# Altium PCB OAI_KPA_Power_Module.PcbDoc (part 3 of 3)
Units mm, origin at the board's own origin, x right, y up, seen from the top; angles counter-clockwise.
Board outline 150.02 x 64.8 mm, 4 copper layers (Top Layer, Mid-Layer 1, Internal Plane 2, Bottom Layer); 170 components, 188 nets, 852 pads, 320 vias.
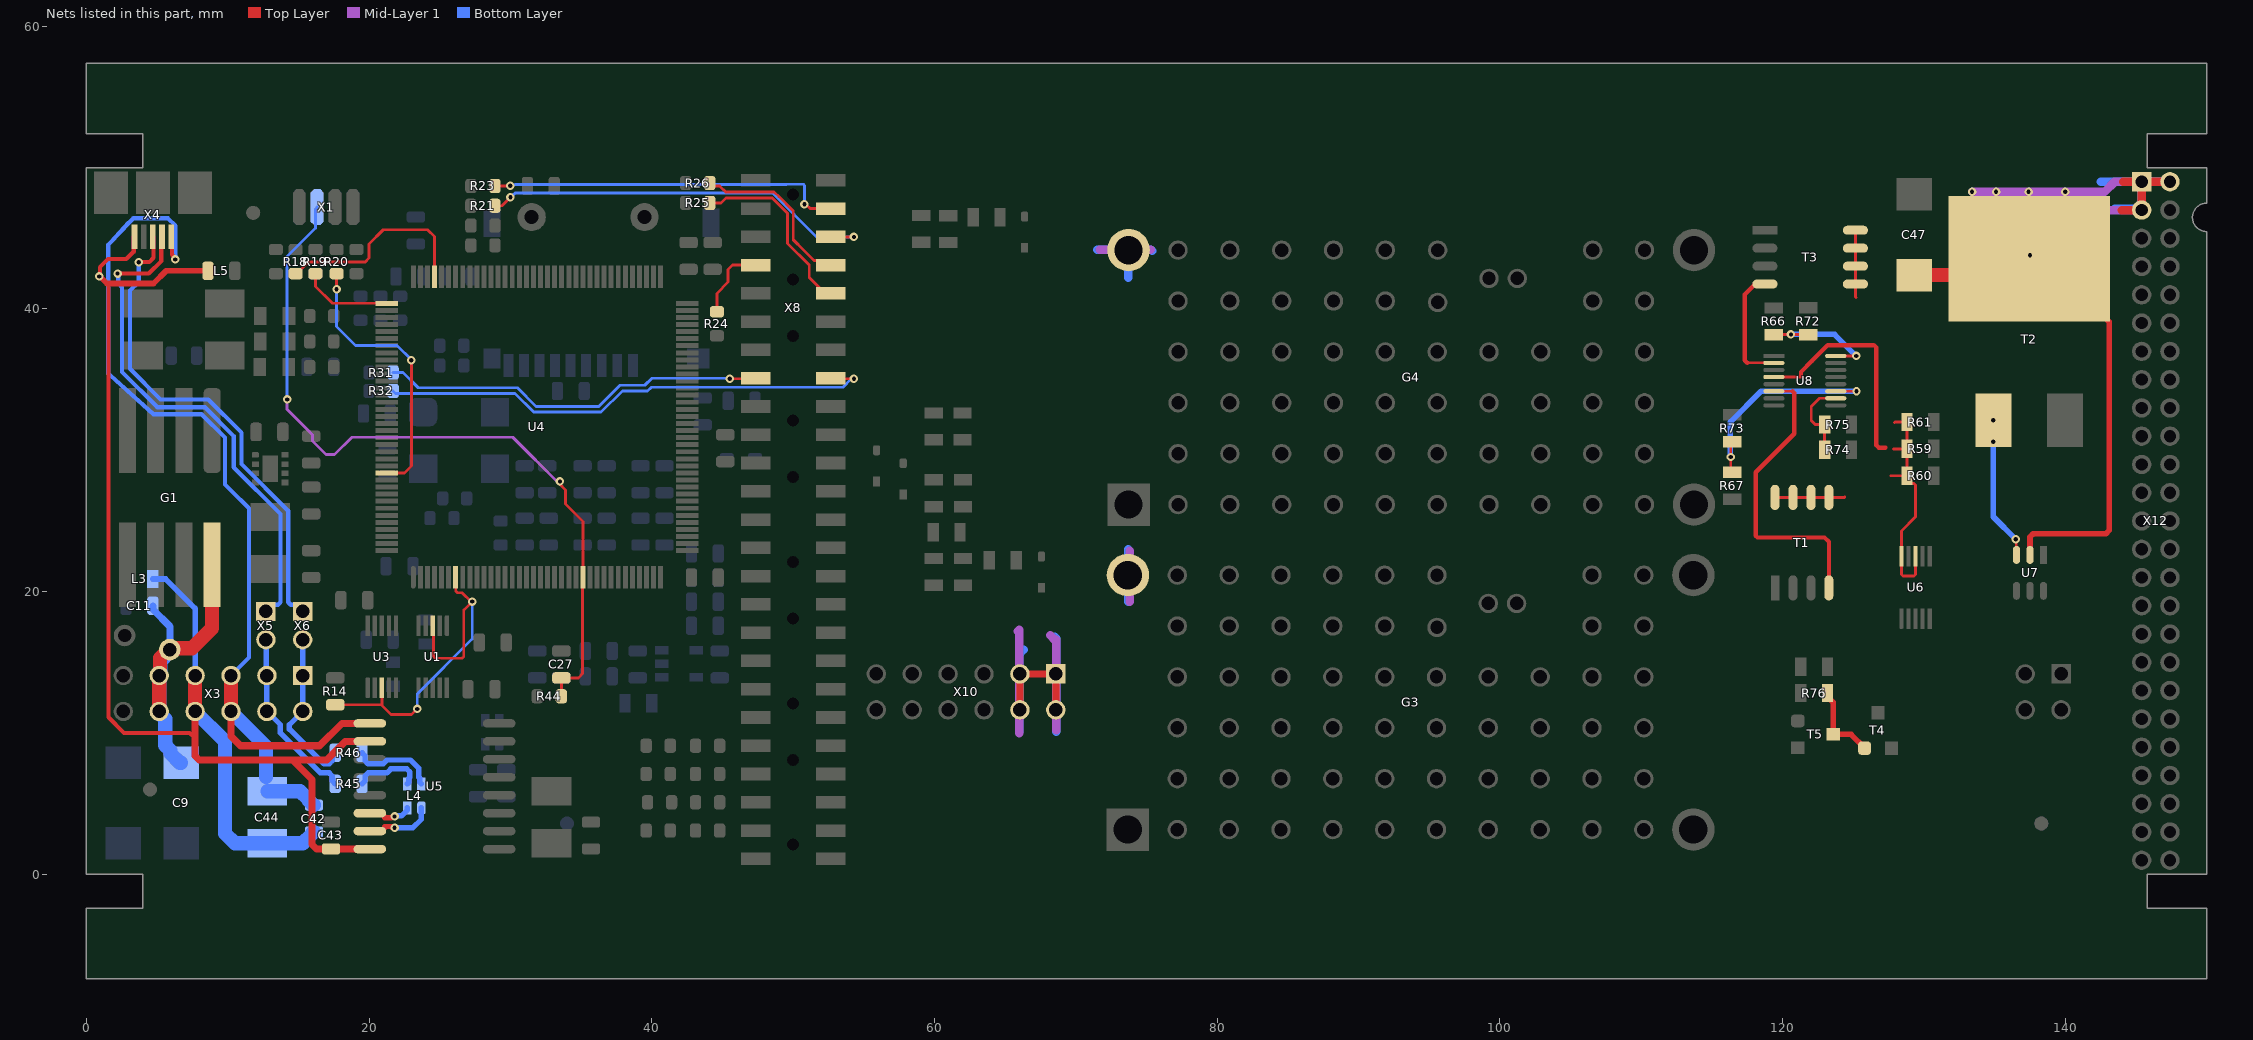
[diagram p5: the nets of this part, all layers, seen from the top]

## Via types
v1: diameter 0.6, hole 0.3, Top Layer to Bottom Layer, 287 vias
v2: diameter 0.8, hole 0.8, Top Layer to Bottom Layer, 30 vias
v3: diameter 1.1, hole 0.8, Top Layer to Bottom Layer, 1 vias
v4: diameter 1.5, hole 0.8, Top Layer to Bottom Layer, 1 vias
v5: diameter 1.2, hole 0.6, Top Layer to Bottom Layer, 1 vias

## Nets (pads, with @x,y where several pads share a name; then routed paths per layer and width w, separated by ;. In a path a pad name is that pad's centre, name@x,y a point inside that pad or via, vN(x,y) a via of type N, cw(c..) or ccw(c..) an arc to the next point about the centre after c; other vN are vias at no path point) (continued)
NetR59_2: R59.2 R60.2 R61.2 T1.3 T3.3 U6.8 U6.10 U8.4 | length 42.7
  Top Layer w0.2: U8.4@119.38,35.179 121.333,35.179 ; T1.3@119.463,26.67 T1.3@120.733,26.67 T1.3@122.003,26.67 T1.3@123.273,26.67 124.37,26.67 124.4,26.7 ; T3.3@125.15,45.57 T3.3@125.15,44.3 T3.3@125.15,43.03 T3.3@125.15,41.76 125.15,40.85 125.2,40.8 ; 127.675,28.2 R60.2@128.8,28.2 ; 127.85,30.1 R59.2@128.8,30.1 ; 127.925,31.975 127.95,32 R61.2@128.8,32 R59.2@128.8,30.1 ; U6.8@129.4,22.5 129.4,21.217 129.283,21.1 128.517,21.1 128.4,21.217 U6.10@128.4,22.5 128.4,24.3 129.403,25.303 129.403,27.533 129.286,27.65 129.1,27.65 128.8,27.95 R60.2@128.8,28.2 ; R60.2@128.8,28.2 R59.2@128.8,30.1
  Top Layer w0.3: 121.298,35.214 121.298,35.545 122.054,36.302 123.193,37.44 126.454,37.44 126.63,37.265 126.63,30.357 126.806,30.182 127.259,30.182 127.276,30.198
NetR66_1: R66.1 R72.2 U8.16 | length 9.2
  Top Layer w0.2: R66.1@119.375,38.2 v1(120.587,38.2) 121.8,38.2 R72.2@121.825,38.175 ; U8.16@123.755,36.679 123.757,36.677 125.198,36.677 v1(125.2,36.675)
  Bottom Layer w0.4: v1(120.587,38.2) 123.675,38.2 v1(125.2,36.675)
NetR67_1: R67.1 R73.2 U8.11 | length 15.9
  Top Layer w0.2: R67.1@116.332,28.448 v1(116.332,29.527) R73.2@116.332,30.607 ; U8.11@123.755,34.179 123.757,34.177 125.223,34.177 v1(125.225,34.175)
  Bottom Layer w0.4: v1(116.332,29.527) 116.3,29.559 116.3,32 118.475,34.175 v1(125.225,34.175)
NetR74_1: R74.1 R75.2 U8.10 | length 5.9
  Top Layer w0.2: R74.1@122.67,30.587 R74.1@122.97,30.287 ; R75.2@122.67,31.818 122.312,31.818 122.024,32.106 122.024,33.099 122.604,33.679 U8.10@123.755,33.679 ; R74.1@122.97,30.05 R74.1@122.97,30.287 ; R75.2@122.975,31.825 122.97,31.82 R74.1@122.97,30.287
NetR76_1: R76.1 T4.1 T5.3 | length 5.7
  Top Layer w0.4: R76.1@123.175,12.827 123.175,12.577 123.571,12.181 T5.3@123.571,9.906 124.845,9.906 125.796,8.955 T4.1@125.796,8.93
NetT1_1: T1.1 U8.6 | length 21.3
  Top Layer w0.2: U8.6@119.38,34.179 120.708,34.179
  Top Layer w0.3: 120.708,34.179 120.825,34.062 120.825,31.175 118.096,28.446 118.096,23.948 118.213,23.831 122.969,23.831 123.273,23.527 T1.1@123.273,20.27
NetT2_1: T2.1 U7.3 | length 10.2
  Top Layer w0.2: v1(136.5,23.7) 136.524,23.676 136.524,22.624 U7.3@136.547,22.6
  Bottom Layer w0.4: v1(134.904,32.131) 134.904,25.296 v1(136.5,23.7)
  other v1: 134.9,30.6
NetT3_1: T3.1 U8.2 | length 8.5
  Top Layer w0.2: 117.497,36.189 119.37,36.189 U8.2@119.38,36.179
  Top Layer w0.3: 117.497,36.189 117.322,36.365 117.322,41.021 118.061,41.76 T3.1@118.75,41.76
NRST: C27.2 R44.2 U4.25 X1.B2 | length 55.1
  Top Layer w0.2: v1(33.5,27.8) 33.5,27.6 33.9,27.2 33.9,26.2 35.125,24.975 U4.25@35.125,21.025 35.1,21 35.1,14.2 34.8,13.9 C27.2@33.6,13.9 R44.2@33.6,12.6
  Mid-Layer 1 w0.2: v1(14.2,33.6) 14.2,32.9 16,31.1 16,30.651 16.951,29.7 17.448,29.7 17.559,29.7 18.783,30.924 30.161,30.924 v1@33.475,27.609
  Bottom Layer w0.2: v1(14.2,33.6) 14.2,43.715 16.201,45.716 16.201,47.081 X1.B2@16.326,47.206
Out_D_1_MB_N: R45.1 X3.3 X3.4 X5.2 | length 12.7
  Top Layer w0.381: X3.3@12.77,14.065 X3.3@12.79,14.085
  Bottom Layer w0.381: X5.2@12.7,16.6 12.735,16.565 12.735,14.1 X3.3@12.77,14.065 X3.4@12.77,11.525 12.785,11.525 13.725,10.585 13.725,10.008 16.548,7.185 17.167,7.185 17.39,6.961 17.39,6.61 R45.1@17.6,6.4 ; X5.2@12.785,16.615 X5.2@12.8,16.6
Out_D_1_MB_P: R46.1 X3.1 X3.2 X6.2 | length 11.5
  Bottom Layer w0.381: X6.2@15.3,16.6 15.3,14.075 X3.1@15.31,14.065 X3.2@15.31,11.525 15.295,11.525 14.356,10.585 14.356,10.269 16.809,7.816 17.167,7.816 17.39,8.039 17.39,8.39 R46.1@17.6,8.6
Out_D_2_N: X4.2 X5.1 | length 36.2
  Top Layer w0.2: X4.2@5.35,45.3 X4.2@5.375,45.275
  Top Layer w0.3: 2.514,42.508 4.409,42.508 5.3,43.399 5.3,43.875 5.3,45.05 X4.2@5.35,45.1
  Bottom Layer w0.3: v1(2.2,42.5) 2.257,42.443 2.257,41.799 2.524,41.532 2.524,35.542 5.017,33.049 8.388,33.049 10.416,31.02 10.416,28.799 13.725,25.49 13.725,19.725 13.725,19.247 13.549,19.071 13.171,19.071 X5.1@12.7,18.6
Out_D_2_P: X4.3 X6.1 | length 34.9
  Top Layer w0.3: v1(3.7,43.3) 3.726,43.326 4.45,43.326 4.75,43.626 4.75,45.05 X4.3@4.7,45.1
  Bottom Layer w0.3: v1(3.7,43.3) 3.7,41.93 3.074,41.304 3.074,35.77 5.245,33.599 8.616,33.599 10.966,31.248 10.966,29.027 14.275,25.718 14.275,19.953 14.275,19.247 14.451,19.071 14.829,19.071 X6.1@15.3,18.6
Out_D_M1_N: L4.3 R45.2 | length 5
  Bottom Layer w0.381: R45.2@19.5,6.4 19.71,6.61 19.71,6.961 19.933,7.185 21.257,7.185 21.536,7.464 22.661,7.464 22.885,7.241 22.885,6.883 22.809,6.808 22.809,6.509 L4.3@22.7,6.4
Out_D_M1_P: L4.2 R46.2 | length 6.1
  Bottom Layer w0.381: R46.2@19.5,8.6 19.71,8.39 19.71,8.039 19.933,7.816 20.995,7.816 21.274,8.095 22.923,8.095 23.516,7.502 23.516,6.883 23.591,6.808 23.591,6.509 L4.2@23.7,6.4
Out_D_M2_N: L4.4 U5.6 | length 3.2
  Top Layer w0.381: U5.6@20.05,4.33 20.841,4.33 21.11,4.061 21.11,4.016 21.561,4.016 21.603,4.058 21.758,4.058 v1(21.8,4.1)
  Bottom Layer w0.381: v1(21.8,4.1) 21.842,4.142 22.292,4.142 22.7,4.55 L4.4@22.7,4.7
Out_D_M2_P: L4.1 U5.7 | length 4.9
  Top Layer w0.381: U5.7@20.05,3.06 20.841,3.06 21.11,3.329 21.11,3.385 21.561,3.385 21.603,3.342 21.758,3.342 v1(21.8,3.3)
  Bottom Layer w0.381: v1(21.8,3.3) 23.1,3.3 23.7,3.9 L4.1@23.7,4.7
Power_IN: C9.1 C11.2 G1.1 G3.1 G4.1 pad.3 X3.9 X3.10 X10.1 X10.2 X10.3 X10.4 | length 76.7
  Top Layer w0.5: X10.4@66.04,11.64 X10.3@66.04,14.18 X10.1@68.58,14.18 X10.2@68.58,11.64
  Top Layer w1: X3.10@5.15,11.525 X3.9@5.15,14.065 5.2,14.115 5.2,15.3 5.9,16 7.477,16 8.888,17.412 8.888,21.888 G1.1@8.9,21.9
  Mid-Layer 1 w0.6: 65.9,17.2 66,17.3 ; 66,10 66,17.2 ; 68.2,16.9 68.5,16.6 ; 68.6,10.2 68.6,16.6 ; 71.7,44.2 75.3,44.2 ; 73.8,19.3 73.8,22.9
  Bottom Layer w0.5: C11.2@4.7,19 4.7,18.75 5.9,17.55 pad.3@5.9,15.9
  Bottom Layer w0.6: 66,10.1 66,15.6 66.3,15.9 ; 68.5,16.8 68.6,16.7 68.6,10.1 ; 71.5,44.2 75.3,44.2 75.4,44.1 ; 73.7,19.3 73.7,23 ; 73.7,42.2 73.7,44.134 G4.1@73.728,44.162
  Bottom Layer w1: pad.3@5.9,15.9 5.9,15.758 5.221,15.079 5.221,14.136 X3.9@5.15,14.065 5.15,11.424 5.576,10.998 5.576,9.136 5.95,8.762 5.95,8.55 6.6,7.9 C9.1@6.7,7.9
PWR_+27_out: C47.1 T2.2 U7.2 X12.1 X12.2 X12.3 | length 79
  Top Layer w0.4: U7.2@137.5,22.6 137.5,23.866 137.734,24.1 142.866,24.1 143.1,24.334 143.1,39.1 142.959,39.241 142.959,39.316 138.714,43.561 T2.2@137.5,43.561
  Top Layer w0.6: 144,47 X12.3@145.4,47 X12.1@145.4,49 ; 144.1,49 X12.1@145.4,49 ; X12.2@147.4,49 X12.1@145.4,49
  Top Layer w1: C47.1@129.3,42.4 136.283,42.4 T2.2@137.444,43.561
  Mid-Layer 1 w0.6: v1(133.4,48.3) 142.8,48.3 143.5,49 X12.1@145.4,49 ; v1(137.5,43.8) 140.7,47 X12.3@145.4,47 X12.1@145.4,49 ; X12.2@147.4,49 X12.1@145.4,49
  Bottom Layer w0.4: X12.3@145.3,47.1 X12.3@145.4,47
  Bottom Layer w0.6: 142.5,49 X12.1@145.4,49 ; 143.5,47.1 X12.3@145.3,47.1 ; X12.3@145.4,47 X12.1@145.4,49 ; X12.2@147.4,49 X12.1@145.4,49
  other v1: 135.1,48.3 137.4,48.3 140,48.3
PWR_ALERT: R14.2 U1.3 U3.3 U4.7 | length 27.6
  Top Layer w0.2: R14.2@17.6,12 20.9,12 ; U3.3@20.9,13.2 20.9,12 ; v1(23.4,11.7) 23,11.3 21.551,11.3 20.9,11.951 20.9,12 ; U1.3@24.5,17.6 24.55,17.55 24.55,15.406 24.667,15.289 26.583,15.289 26.7,15.406 26.7,18.7 27.2,19.2 27.2,19.3 26.575,19.925 26.242,19.925 26.125,20.042 U4.7@26.125,21.025
  Bottom Layer w0.2: v1(23.4,11.7) 23.4,12.767 27.29,16.657 27.29,19.29 v1(27.3,19.3)
SPI_CLK: R24.2 X8.8 | length 5.4
  Top Layer w0.2: R24.2@44.585,39.815 R24.2@44.6,39.8 44.6,41.1 45.4,41.9 45.4,42.8 45.7,43.1 X8.8@47.35,43.1
SPI_MISO: R25.2 X8.9 | length 13.2
  Top Layer w0.2: R25.2@44.1,47.5 44.9,47.5 45.245,47.845 48.524,47.845 49.6,46.769 49.6,44.642 51.135,43.107 51.135,42.238 52.274,41.1 X8.9@52.65,41.1
SPI_MOSI: R26.2 X8.7 | length 12.1
  Top Layer w0.2: R26.2@44.1,48.9 44.3,48.7 44.8,48.7 45.226,48.274 48.65,48.274 48.679,48.245 48.69,48.245 48.985,47.95 50,46.935 50,44.9 50.727,44.173 51.465,43.435 52.315,43.435 X8.7@52.65,43.1
SWCLK: R19.2 U4.109 | length 6.4
  Top Layer w0.2: R19.2@16.2,42.5 16.2,41.6 17.4,40.4 U4.109@21.25,40.4
SWDIO: R18.2 U4.105 | length 14.7
  Top Layer w0.2: R18.2@14.8,42.5 14.9,42.5 15.723,43.323 19.723,43.323 19.999,43.599 19.999,44.599 21,45.6 24.14,45.6 24.625,45.114 U4.105@24.625,42.275
SWO: R20.2 U4.133 | length 19.5
  Top Layer w0.2: v1(17.7,41.4) R20.2@17.7,42.5 ; U4.133@21.25,28.4 22.5,28.4 23,28.9 23,36.351 v1(22.976,36.376)
  Bottom Layer w0.2: v1(17.7,41.4) 17.7,38.766 19.048,37.419 21.981,37.419 22.976,36.424 v1(22.976,36.376)
UART_1_RX: R23.1 X8.3 | length 25.7
  Top Layer w0.2: R23.1@28.9,48.7 29.977,48.7 v1(29.991,48.714) ; v1(50.8,47.4) 50.908,47.4 51.208,47.1 X8.3@52.65,47.1 52.809,46.941 X8.3@52.969,47.1
  Bottom Layer w0.2: v1(29.991,48.714) 30.068,48.791 30.288,48.791 30.308,48.811 49.511,48.811 49.525,48.825 50.709,48.825 50.8,48.734 v1(50.8,47.4)
UART_1_TX: R21.1 X8.5 | length 28.8
  Top Layer w0.2: R21.1@28.9,47.3 29.4,47.3 v1(30,47.9) ; X8.5@52.65,45.1 v1(54.3,45.1)
  Top Layer w0.3: X8.5@52.611,45.139 X8.5@52.65,45.1
  Bottom Layer w0.2: v1(30,47.9) 30.017,47.9 30.232,48.114 30.24,48.114 30.325,48.2 48.557,48.2 51.657,45.1 v1(54.3,45.1)
UART_2_RX: R32.2 X8.15 | length 35.9
  Top Layer w0.2: X8.15@52.65,35.1 52.685,35.065 v1(54.3,35.065)
  Bottom Layer w0.2: R32.2@21.7,34.2 21.877,34.023 30.327,34.023 31.65,32.7 36.414,32.7 37.914,34.2 39.7,34.2 39.965,34.465 53.515,34.465 54.124,35.074 54.134,35.065 v1(54.3,35.065)
UART_2_TX: R31.2 X8.16 | length 27.5
  Top Layer w0.2: v1(45.514,35.065) 47.315,35.065 X8.16@47.35,35.1
  Bottom Layer w0.2: R31.2@21.7,35.5 22.4,35.5 23.477,34.423 30.493,34.423 31.816,33.1 36.248,33.1 37.749,34.6 39.5,34.6 40,35.1 45.478,35.1 v1(45.514,35.065)
USB_GND_IN: C42.1 C43.1 C44.2 L3.2 L5.2 U5.2 U5.8 X3.7 X3.8 X4.5 | length 107.4
  Top Layer w0.3: v1(0.9,42.3) 0.957,42.357 0.957,42.957 1.528,43.528 2.822,43.528 3.35,44.055 3.35,45.05 X4.5@3.4,45.1 ; 1.454,41.8 1.559,41.696 1.559,11.112 2.66,10.01 7.301,10.01 7.669,9.642
  Top Layer w0.4: v1(0.9,42.3) 0.954,42.3 1.454,41.8 4.75,41.8 5.65,42.7 L5.2@8.6,42.7
  Top Layer w0.5: X3.8@7.69,11.525 7.669,11.504 7.669,9.642 7.669,8.393 7.962,8.1 14.577,8.1 ; C43.1@17.3,1.8 16.283,1.8 15.963,2.12 15.963,6.714 14.577,8.1 ; C43.1@17.305,1.795 20.045,1.795 U5.8@20.05,1.79 ; U5.2@20.05,9.41 18.31,9.41 17,8.1 14.577,8.1
  Top Layer w1: X3.8@7.69,11.525 X3.7@7.69,14.065
  Bottom Layer w0.4: L3.2@4.7,20.9 5.6,20.9 7.69,18.81 X3.7@7.69,14.065
  Bottom Layer w1: X3.7@7.69,14.065 X3.8@7.69,11.525 9.8,9.415 9.8,2.9 10.5,2.2 C44.2@12.8,2.2 15.3,2.2 15.95,2.85 15.95,2.9 16.05,3 C42.1@16.1,3
V_in: C42.2 C44.1 U5.1 X3.5 X3.6 X4.1 | length 74.1
  Top Layer w0.3: X4.1@6,45.1 6.05,45.05 6.05,43.831 6.292,43.589 v1(6.292,43.508)
  Top Layer w0.5: X3.6@10.23,11.525 10.23,9.77 10.9,9.1 16.5,9.1 18.08,10.68 U5.1@20.05,10.68
  Top Layer w1: X3.6@10.23,11.525 X3.5@10.23,14.065
  Bottom Layer w0.3: v1(6.292,43.508) 6.292,45.892 5.774,46.411 3.311,46.411 3,46.1 1.7,44.7 1.55,44.55 1.55,35.438 1.7,35.288 4.74,32.549 8.151,32.549 9.8,30.9 9.8,27.577 10.863,26.514 10.886,26.514 11.5,25.9 11.5,15.335 X3.5@10.23,14.065
  Bottom Layer w1: X3.5@10.23,14.065 X3.6@10.23,11.525 12.7,9.055 12.7,6.9 ; C44.1@12.8,5.883 15.117,5.883 15.703,5.297 15.703,5.247 16.05,4.9 C42.2@16.1,4.9
pads on no net: G1.3 G1.4 G1.8 G2.7 U4.8 U4.9 U4.15 U4.42 U4.43 U4.46 U4.47 U4.48 U4.100 U4.123 U4.134 U4.135 U7.5 U8.3 U8.5 U8.13 U8.14 X4.4 X7.0 X8.0 X9.0 X10.9 X10.10 X10.11 X10.12 X12.7 X12.8 X12.9 X12.10 X12.11 X12.12 X12.13 X12.14 X12.15 X12.16 X12.17 X12.18 X12.19 X12.20 X12.21 X12.22 X12.23 X12.24 X12.25 X12.26 X12.27 X12.28 X12.29 X12.30 X12.31 X12.32 X12.33 X12.34 X12.35 X12.36 X12.37 X12.38 X12.39 X12.40 X12.41 X12.42 X12.43 X12.44 X12.45 X12.46 X12.47 X12.48 X12.49 X12.50
copper on no net: | length 0.4
  Top Layer w0.5: 55.815,14.273 55.88,14.209 55.88,14.18 55.894,14.166 55.923,14.166 ; 55.88,11.64 55.923,11.683 ; 58.395,14.273 58.42,14.249 58.42,14.18 58.431,14.18 58.46,14.209 ; 58.42,11.64 58.46,11.68
  other v2: 4,-0.5 5.1,-0.5 6.2,-0.5 7.3,-0.5 8.4,-0.5 70.5,-0.5 71.6,-0.5 72.7,-0.5 73.8,-0.5 74.9,-0.5 141.4,-0.5 142.5,-0.5 143.6,-0.5 144.7,-0.5 145.8,-0.5 4.1,50.5 5.2,50.5 6.3,50.5 7.4,50.5 8.5,50.5 70.5,50.5 71.6,50.5 72.7,50.5 73.8,50.5 74.9,50.5 141.4,50.5 142.5,50.5 143.6,50.5 144.7,50.5 145.8,50.5

## Polygon pours and split planes (outlines as drawn)
GND on Mid-Layer 1 "Mid-Layer 1-GND" (solid, pour order 142): 77.1,48.15 77.1,9.775 115.4,9.775 115.525,9.65 115.525,42.45 132.6,42.45 132.6,10.775 129.65,7.825 71.225,7.825 71.225,1.475 139.8,1.475 139.8,48.15
3.3V on Mid-Layer 1 "Layer 1-3.3V" (solid, pour order 84): 51.5,17.282 51.5,16.1 45.7,16.1 42,12.4 42,11.7 41.7,11.4 35.7,11.4 33.5,13.6 31.867,13.6 30.5,13.6 30.211,13.889 28.122,16.2 22.593,16.2 14.8,24 14.8,28.9 12.2,31.5 12.2,37.5 20.7,46 33.5,46.2 35.4,47.849 46.425,47.849 46.425,46.575 41.575,46.575 38.94,43.94 33.36,43.94 32.6,44.7 32.4,44.5 30.8,44.5 30.624,44.676 29.876,44.676 29.876,43.815 29.891,43.8 28.391,42.3 22.433,42.3 18.083,37.95 18.083,35.7 16.282,33.9 16.8,33.9 16.965,33.735 17.031,33.8 18.445,33.8 18.651,33.593 19.593,33.593 21.568,35.568 21.568,36.924 26.08,41.436 41.252,41.436 42.117,42.3 43.6,42.3 43.6,40.2 36.729,40.071 36.003,39.346 32.785,39.346 30.039,36.6 27.58,36.6 26.08,35.1 25.9,35.1 23,32.2 15.6,32.2 14.2,33.6 14.2,32.9 16,31.1 16,30.5 16.8,29.7 17.6,29.7 18.8,30.9 30.168,30.9 33.5,27.6 34,27.6 31.2,30.4 31.2,33.8 38.2,33.8 39.442,32.558 42.791,32.558 45.073,30.276 45.073,29.558 43.142,29.558 41.8,30.9 39.2,30.9 37.392,32.708 37.275,32.708 36.467,31.9 33.3,31.9 33.3,30.786 36.393,27.693 36.003,28.083 33.5,25.703 30.431,28.7 19.38,28.7 18.58,27.9 17.3,27.9 17.3,26.8 17.2,26.7 18.1,25.8 18.1,24.8 18.7,25.4 19.965,25.353 20.512,25.9 27.9,25.9 27.9,22.5 27.888,22.512 22.806,22.512 21.519,23.8 19.6,23.8 19.2,23.4 23.1,19.6 24.1,19.6 24.55,20.15 24.962,20.6 32.253,20.653 32.785,20.122 32.785,18.115 32.8,18.1 29.086,18.1 28.686,18.5 27,18.5 26.2,19.3 26.1,19.2 25.2,19.2 26.098,18.302 26.598,18.302 26.8,18.1 28.52,18.1 31.319,15.301 41.601,15.301 44.4,18.1 48.749,18.1 49.474,17.375 51.264,17.375
no net on Mid-Layer 1 "Mid-Layer 1-No Net" (solid, pour order 100): 64.516,16.764
GND on Mid-Layer 1 "Mid-Layer 1-GND 1" (solid, pour order 98): 1.016,15.24 3.937,15.24 3.937,9.017 7.62,5.334 43.815,5.334 46.355,2.794 46.355,1.016 45.847,1.016 1.016,1.016
no net on Mid-Layer 1 "Layer 1-No Net 2" (solid, pour order 96): 19,20.5
no net on Mid-Layer 1 "Layer 1-No Net 1" (solid, pour order 94): 50.1,50
no net on Mid-Layer 1 "Layer 1-No Net" (solid, pour order 92): 12.9,34.5
+5V on Mid-Layer 1 "Layer 1-+5V" (solid, pour order 90): 45.441,11.907 43.908,11.907 41.717,9.5 31,9.5 28.635,11.865 28.635,12.789 29.412,13.566 30.134,13.566 32.211,11.489 33.128,10.572 41.61,10.63 42.735,11.907 42.735,12.869 43.266,13.4 45.024,13.4 45.441,12.983
NetC12_2 on Mid-Layer 1 "Layer 1-NetC11_2" (solid, pour order 88): 28,10.4 28,13.4 26.2,15.2 22.8,15.2 14.4,23.6 11.6,26.4 6.1,26.4 6.1,28.7 3.6,28.7 3.6,25.6 4.542,24.658 10.642,24.658 23,12.3 24.8,12.3 25.9,10.4
-5V on Mid-Layer 1 "Layer 1--5V" (solid, pour order 86): 8.1,32 11.7,32 11.7,35.9 6.8,35.9 0.9,30 0.9,23.7 18.6,6 46.6,6 46.6,11.5 43.668,11.5 41.5,9.1 22.8,9.1 8.6,23.3 5.5,23.3 3.3,25.5 3.3,29.5 5.6,29.5
GND on Top Layer "Top Layer-D_IN_3_N" (solid, pour order 140): 71.275,24.375 115.325,24.375 115.4,24.45 115.4,46.275 71.275,46.275 71.225,46.325
GND on Top Layer "Top Layer-GND" (solid, pour order 138): 70.973,0.59 71.223,0.84 71.223,21.288 117.748,21.313 143.45,21.296 143.45,45.918 146.293,45.918 146.293,22.706 146.64,0.84
no net on Top Layer "Top Layer-No Net" (solid, pour order 126): 126.875,35.6
GND on Bottom Layer "Bottom Layer-GND" (solid, pour order 134): 79.2,45.7 79.2,1.375 111.1,1.375 134.35,1.375 134.35,6.575 144.475,6.575 144.475,45.7
GND on Internal Plane 2 (split plane): 6.349,10.1 6.354,10.061 6.369,10.024 6.393,9.993 10.893,5.493 10.903,5.486 10.903,0.51 8.6,0.51 8.5,0.501 8.405,0.472 8.316,0.424 8.239,0.361 8.176,0.284 8.128,0.195 8.099,0.1 8.09,0 8.09,-1.785 4.51,-1.785 4.51,0 4.501,0.1 4.472,0.195 4.424,0.284 4.361,0.361 4.284,0.424 4.195,0.472 4.1,0.501 4,0.51 0.51,0.51 0.51,15.434 6.349,15.434
USB_GND_IN on Internal Plane 2 (split plane): 8.09,50 8.099,49.9 8.128,49.805 8.176,49.716 8.239,49.639 8.316,49.576 8.405,49.528 8.5,49.499 8.6,49.49 10.99,49.49 10.99,48.73 10.999,48.63 11.028,48.535 11.076,48.446 11.139,48.369 11.216,48.306 11.305,48.258 11.4,48.229 11.5,48.22 11.949,48.22 11.949,44.663 10.843,43.557 10.193,42.907 9.293,42.007 8.837,41.551 4.3,41.551 4.261,41.546 4.235,41.535 4.224,41.531 4.193,41.507 2.593,39.907 2.569,39.876 2.563,39.861 2.554,39.839 2.549,39.8 2.549,26.6 2.554,26.561 2.563,26.539 2.569,26.524 2.593,26.493 8.893,20.193 8.924,20.169 8.961,20.154 9,20.149 11.237,20.149 11.349,20.037 11.349,15.9 11.349,15.06 11.349,14.065 11.349,10.7 11.354,10.661 11.369,10.624 11.393,10.593 11.893,10.093 11.924,10.069 11.961,10.054 12,10.049 24.479,10.049 24.619,9.908 24.619,9.829 24.619,6.235 24.619,0.985 24.619,0.735 24.619,0.51 11.205,0.51 11.205,5.546 11.2,5.585 11.185,5.622 11.161,5.653 11.13,5.676 11.107,5.707 6.651,10.163 6.651,15.579 6.652,15.585 6.651,15.591 6.651,15.6 6.646,15.639 6.631,15.676 6.607,15.707 6.576,15.731 6.539,15.746 6.5,15.751 6.461,15.746 6.437,15.736 0.51,15.736 0.51,49.49 4,49.49 4.1,49.499 4.195,49.528 4.284,49.576 4.361,49.639 4.424,49.716 4.472,49.805 4.501,49.9 4.51,50 4.51,51.418 8.09,51.418
GND on Internal Plane 2 (split plane): 445 vertices, not listed, extent 0.51,-6.89 149.502,56.89
A_GND on Internal Plane 2 (split plane): 54.244,34.949 54.276,34.908 54.318,34.876 54.367,34.855 54.419,34.849 57.85,34.849 57.901,34.855 59.528,33.228 59.561,33.206 59.6,33.198 62.998,33.198 62.998,25.842 61.728,24.572 61.706,24.539 61.698,24.5 61.698,23.542 61.658,23.502 54.051,23.502 54.051,26.4 54.046,26.439 54.031,26.476 54.007,26.507 53.976,26.531 53.939,26.546 53.9,26.551 53.861,26.546 53.824,26.531 53.793,26.507 53.769,26.476 53.754,26.439 53.749,26.4 53.749,20.163 53.737,20.151 46.3,20.151 46.261,20.146 46.224,20.131 46.193,20.107 45.593,19.507 45.569,19.476 45.554,19.439 45.549,19.4 45.554,19.361 45.569,19.324 45.593,19.293 46.164,18.722 46.164,15.785 46.164,14.378 46.011,14.224 45.593,13.807 45.337,13.551 36.563,13.551 36.451,13.663 36.451,19.8 36.446,19.839 36.437,19.861 36.431,19.876 36.407,19.907 34.507,21.807 34.476,21.831 34.461,21.837 34.439,21.846 34.4,21.851 30.351,21.851 30.351,29.537 30.563,29.749 41.4,29.749 41.439,29.754 41.476,29.769 41.507,29.793 41.531,29.824 41.546,29.861 41.551,29.9 41.551,34.937 41.563,34.949 53.749,34.949 53.749,34.831 53.725,34.801 53.705,34.752 53.698,34.7 53.698,27.4 53.705,27.348 53.725,27.299 53.757,27.257 53.799,27.225 53.848,27.205 53.9,27.198 53.952,27.205 54.001,27.225 54.043,27.257 54.075,27.299 54.095,27.348 54.102,27.4 54.102,34.7 54.095,34.752 54.075,34.801 54.051,34.831 54.051,34.987 54.229,34.987

## Keep-outs
Top Layer:
  region: 131.7,50

## Other copper
Top Layer:
  region net NetR59_1: 141.975,35.1 141.975,26.675 130.875,26.675 130.65,26.911 130.65,27.35 131.159,27.35 130.629,27.879 130.771,28.021 131.3,27.491 131.3,28.909 130.771,28.379 130.629,28.521 131.159,29.05 130.675,29.05 130.675,29.25 131.159,29.25 130.629,29.779 130.771,29.921 131.3,29.391 131.3,30.809 130.771,30.279 130.629,30.421 131.159,30.95 130.675,30.95 130.675,31.15 131.159,31.15 130.629,31.679 130.771,31.821 131.3,31.291 131.3,32.709 130.771,32.179 130.629,32.321 131.159,32.85 130.316,32.85 130.316,33.625 131.782,35.125 141.95,35.125 hole: 141.313,34.236 138.655,34.236 139.984,32.907 hole: 138.514,34.095 138.514,30.167 139.913,31.567 139.984,31.496 140.055,31.567 141.454,30.167 141.454,34.095 140.055,32.695 139.984,32.766 139.913,32.695 hole: 139.984,31.355 138.655,30.026 141.313,30.026 hole: 136.374,34.236 133.434,34.236 133.434,30.026 136.374,30.026
  region net NetR59_2: 128.725,32.85 128.725,39.332 128.3,39.7 127.375,40.497 127.204,40.326 127.204,32.85
  region net NetR59_2: 128.707,32.85 128.341,32.85 128.871,32.321 128.729,32.179 128.2,32.709 128.2,31.291 128.729,31.821 128.871,31.679 128.319,31.128 128.319,30.95 128.849,30.421 128.707,30.279 128.178,30.809 128.178,29.391 128.707,29.921 128.849,29.779 128.319,29.25 128.319,29.072 128.871,28.521 128.729,28.379 128.2,28.909 128.2,27.491 128.729,28.021 128.871,27.879 128.341,27.35 127.29,26.295 127.224,32.85
  region net NetG4_4: 113.6,45.6 116.5,46.236 116.5,42.35 116.175,42.675 113.6,42.675
  region net NetG3_4: 122.586,21.172 122.459,21.134 122.096,20.781 122.025,20.852 121.954,20.781 121.595,21.14 121.537,21.054 121.497,20.852 121.497,19.709 121.537,19.507 121.595,19.42 121.954,19.779 122.025,19.709 122.096,19.779 122.455,19.42 122.586,19.388 122.586,18.61 118.486,18.61 118.486,18.71 118.486,22.61 122.586,22.61 hole: 119.843,21.369 119.126,21.369 119.485,21.011 hole: 122.025,21.379 121.823,21.339 121.737,21.281 122.025,20.993 122.313,21.281 122.227,21.339 hole: 120.755,21.379 120.553,21.339 120.467,21.281 120.755,20.993 121.043,21.281 120.957,21.339 hole: 119.985,21.228 119.556,20.798 119.485,20.869 119.414,20.798 118.985,21.228 118.985,19.333 119.414,19.762 119.485,19.691 119.556,19.762 119.985,19.333 hole: 121.185,21.14 120.826,20.781 120.755,20.852 120.684,20.781 120.325,21.14 120.267,21.054 120.227,20.852 120.227,19.709 120.267,19.507 120.325,19.42 120.684,19.779 120.755,19.709 120.826,19.779 121.185,19.42 121.242,19.507 121.283,19.709 121.283,20.852 121.242,21.054 hole: 119.485,19.55 119.126,19.191 119.843,19.191 hole: 122.025,19.567 121.737,19.279 121.823,19.221 122.025,19.181 122.227,19.221 122.313,19.279 hole: 120.755,19.567 120.467,19.279 120.553,19.221 120.755,19.181 120.957,19.221 121.043,19.279
  region net NetR59_2: 124.262,28 124.262,25.1 118.766,25.1 118.766,28 hole: 123.275,27.769 123.073,27.729 122.987,27.671 123.275,27.383 123.563,27.671 123.477,27.729 hole: 122.005,27.769 121.803,27.729 121.717,27.671 122.005,27.383 122.293,27.671 122.207,27.729 hole: 120.735,27.769 120.533,27.729 120.447,27.671 120.735,27.383 121.023,27.671 120.937,27.729 hole: 119.465,27.769 119.263,27.729 119.177,27.671 119.465,27.383 119.753,27.671 119.667,27.729 hole: 123.705,27.53 123.346,27.171 123.275,27.241 123.204,27.171 122.845,27.53 122.787,27.443 122.747,27.241 122.747,26.098 122.787,25.896 122.845,25.81 123.204,26.169 123.275,26.098 123.346,26.169 123.705,25.81 123.762,25.896 123.803,26.098 123.803,27.241 123.762,27.443 hole: 122.435,27.53 122.076,27.171 122.005,27.241 121.934,27.171 121.575,27.53 121.517,27.443 121.477,27.241 121.477,26.098 121.517,25.896 121.575,25.81 121.934,26.169 122.005,26.098 122.076,26.169 122.435,25.81 122.492,25.896 122.533,26.098 122.533,27.241 122.492,27.443 hole: 121.165,27.53 120.806,27.171 120.735,27.241 120.664,27.171 120.305,27.53 120.247,27.443 120.207,27.241 120.207,26.098 120.247,25.896 120.305,25.81 120.664,26.169 120.735,26.098 120.806,26.169 121.165,25.81 121.222,25.896 121.263,26.098 121.263,27.241 121.222,27.443 hole: 119.895,27.53 119.536,27.171 119.465,27.241 119.394,27.171 119.035,27.53 118.977,27.443 118.937,27.241 118.937,26.098 118.977,25.896 119.035,25.81 119.394,26.169 119.465,26.098 119.536,26.169 119.895,25.81 119.952,25.896 119.993,26.098 119.993,27.241 119.952,27.443 hole: 123.275,25.957 122.987,25.669 123.073,25.611 123.275,25.571 123.477,25.611 123.563,25.669 hole: 122.005,25.957 121.717,25.669 121.803,25.611 122.005,25.571 122.207,25.611 122.293,25.669 hole: 120.735,25.957 120.447,25.669 120.533,25.611 120.735,25.571 120.937,25.611 121.023,25.669 hole: 119.465,25.957 119.177,25.669 119.263,25.611 119.465,25.571 119.667,25.611 119.753,25.669
  region net NetR59_2: 126.864,46.527 126.864,41.027 123.864,41.027 123.864,46.527 hole: 124.021,44.32 124.061,44.118 124.119,44.032 124.407,44.32 124.119,44.608 124.061,44.522 hole: 124.021,45.59 124.061,45.388 124.119,45.302 124.407,45.59 124.119,45.878 124.061,45.792 hole: 124.021,43.05 124.061,42.848 124.119,42.762 124.407,43.05 124.119,43.338 124.061,43.252 hole: 124.021,41.78 124.061,41.578 124.119,41.492 124.407,41.78 124.119,42.068 124.061,41.982 hole: 124.26,46.02 124.619,45.661 124.548,45.59 124.619,45.519 124.26,45.16 124.346,45.103 124.548,45.062 125.691,45.062 125.893,45.103 125.98,45.16 125.621,45.519 125.691,45.59 125.621,45.661 125.98,46.02 125.893,46.078 125.691,46.118 124.548,46.118 124.346,46.078 hole: 124.26,44.75 124.619,44.391 124.548,44.32 124.619,44.249 124.26,43.89 124.346,43.833 124.548,43.792 125.691,43.792 125.893,43.833 125.98,43.89 125.621,44.249 125.691,44.32 125.621,44.391 125.98,44.75 125.893,44.808 125.691,44.848 124.548,44.848 124.346,44.808 hole: 124.26,43.48 124.619,43.121 124.548,43.05 124.619,42.979 124.26,42.62 124.346,42.563 124.548,42.522 125.691,42.522 125.893,42.563 125.98,42.62 125.621,42.979 125.691,43.05 125.621,43.121 125.98,43.48 125.893,43.538 125.691,43.578 124.548,43.578 124.346,43.538 hole: 124.26,42.21 124.619,41.851 124.548,41.78 124.619,41.709 124.26,41.35 124.346,41.293 124.548,41.252 125.691,41.252 125.893,41.293 125.98,41.35 125.621,41.709 125.691,41.78 125.621,41.851 125.98,42.21 125.893,42.268 125.691,42.308 124.548,42.308 124.346,42.268 hole: 125.833,45.59 126.121,45.302 126.179,45.388 126.219,45.59 126.179,45.792 126.121,45.878 hole: 125.833,44.32 126.121,44.032 126.179,44.118 126.219,44.32 126.179,44.522 126.121,44.608 hole: 125.833,43.05 126.121,42.762 126.179,42.848 126.219,43.05 126.179,43.252 126.121,43.338 hole: 125.833,41.78 126.121,41.492 126.179,41.578 126.219,41.78 126.179,41.982 126.121,42.068
  region net NetG4_4: 116.5,42.35 116.5,46.236 117.956,46.236 117.968,46.109 117.925,46.101 117.839,46.043 118.198,45.684 118.127,45.613 118.198,45.543 117.839,45.184 117.925,45.126 118.127,45.086 119.27,45.086 119.472,45.126 119.559,45.184 119.2,45.543 119.27,45.613 119.2,45.684 119.559,46.043 119.472,46.101 119.429,46.109 119.442,46.236 120.255,46.236 120.255,42.35 hole: 119.788,42.715 119.788,43.432 119.429,43.073 hole: 119.798,44.343 119.758,44.545 119.7,44.632 119.412,44.343 119.7,44.055 119.758,44.141 hole: 119.798,45.613 119.758,45.815 119.7,45.902 119.412,45.613 119.7,45.325 119.758,45.411 hole: 119.559,44.773 119.472,44.831 119.27,44.871 118.127,44.871 117.925,44.831 117.839,44.773 118.198,44.414 118.127,44.343 118.198,44.273 117.839,43.914 117.925,43.856 118.127,43.816 119.27,43.816 119.472,43.856 119.559,43.914 119.2,44.273 119.27,44.343 119.2,44.414 hole: 119.646,43.573 117.751,43.573 118.18,43.144 118.11,43.073 118.18,43.003 117.751,42.573 119.646,42.573 119.217,43.003 119.288,43.073 119.217,43.144 hole: 117.968,43.073 117.61,43.432 117.61,42.715 hole: 117.986,44.343 117.698,44.632 117.64,44.545 117.6,44.343 117.64,44.141 117.698,44.055 hole: 117.986,45.613 117.698,45.902 117.64,45.815 117.6,45.613 117.64,45.411 117.698,45.325
  region net PWR_+27_out: 143.557,49.8
  region net PWR_+27_out: 144.514,49.1 145.4,49.1 145.4,49 145.5,49 145.5,48.114 145.4,48 145.5,47.88 145.5,47 145.4,47 145.4,46.9 144.52,46.9 144.537,46.769 144.626,46.553 144.723,46.427 144.661,46.3 143.359,46.3 143.1,46.3 138.785,43.49 138.643,43.632 131.7,48 131.7,49.3 144.514,49.3 hole: 145.3,48.9 144.514,48.9 144.514,48.114 145.3,48.114 hole: 145.3,47.88 145.169,47.863 144.953,47.774 144.768,47.632 144.626,47.447 144.537,47.231 144.52,47.1 145.3,47.1
  region net NetR59_1: 131.8,29.8
  region net NetR59_2: 123.85,41.027 123.864,41.027 123.955,40.922 126.84,38.037 127.05,37.857 127.05,29.137 125.5,28 124,28 124,25.1 126.1,25.1 127.302,26.302 127.375,40.497 126.845,41.027
  region net NetG3_4: 113.679,22.6 118.486,22.6 118.486,18.61 115.951,19.685 113.679,19.685
  text "'.GlobalFunctionalModuleName' '.GlobalFunctionalModuleRevision' / '.Print_Date'" at 56,1.4 h1.6
  text "'.GlobalProjectName' '.GlobalProjectRevision' / '.Print_Date'" at 0.7,0.6 h1.6
Mid-Layer 1:
  region net 3.3V: 58 vertices and 26 holes, not listed, extent 116.075,8.95 132.15,42.05
  region net Power_IN: 13 vertices and 24 holes, not listed, extent 64.882,9.525 75.9,45.771
Bottom Layer:
  region net Power_IN: 15 vertices and 24 holes, not listed, extent 64.897,9.525 75.8,45.72
  region net PWR_+27_out: 144.514,49.3 144.514,49.1 145.4,49.1 145.4,48.9 144.514,48.9 144.514,48.114 145.325,48.114 145.389,47.995 145.355,47.888 145.169,47.863 144.953,47.774 144.768,47.632 144.626,47.447 144.537,47.231 144.52,47.1 145.4,47.1 145.4,46.9 144.52,46.9 144.537,46.769 144.626,46.553 144.723,46.427 144.661,46.3 143.3,46.3 143.3,43 131.7,43 131.7,49.3 hole: 140,48.81 139.805,48.771 139.724,48.717 140,48.441 140.276,48.717 140.195,48.771 hole: 137.4,48.81 137.205,48.771 137.124,48.717 137.4,48.441 137.676,48.717 137.595,48.771 hole: 135.1,48.81 134.905,48.771 134.824,48.717 135.1,48.441 135.376,48.717 135.295,48.771 hole: 133.4,48.81 133.205,48.771 133.124,48.717 133.4,48.441 133.676,48.717 133.595,48.771 hole: 140.417,48.576 140.141,48.3 140.417,48.024 140.471,48.105 140.51,48.3 140.471,48.495 hole: 137.817,48.576 137.541,48.3 137.817,48.024 137.871,48.105 137.91,48.3 137.871,48.495 hole: 135.517,48.576 135.241,48.3 135.517,48.024 135.571,48.105 135.61,48.3 135.571,48.495 hole: 133.817,48.576 133.541,48.3 133.817,48.024 133.871,48.105 133.91,48.3 133.871,48.495 hole: 139.583,48.576 139.529,48.495 139.49,48.3 139.529,48.105 139.583,48.024 139.859,48.3 hole: 136.983,48.576 136.929,48.495 136.89,48.3 136.929,48.105 136.983,48.024 137.259,48.3 hole: 134.683,48.576 134.629,48.495 134.59,48.3 134.629,48.105 134.683,48.024 134.959,48.3 hole: 132.983,48.576 132.929,48.495 132.89,48.3 132.929,48.105 132.983,48.024 133.259,48.3 hole: 140,48.159 139.724,47.883 139.805,47.829 140,47.79 140.195,47.829 140.276,47.883 hole: 137.4,48.159 137.124,47.883 137.205,47.829 137.4,47.79 137.595,47.829 137.676,47.883 hole: 135.1,48.159 134.824,47.883 134.905,47.829 135.1,47.79 135.295,47.829 135.376,47.883 hole: 133.4,48.159 133.124,47.883 133.205,47.829 133.4,47.79 133.595,47.829 133.676,47.883 hole: 137.5,44.31 137.305,44.271 137.224,44.217 137.5,43.941 137.776,44.217 137.695,44.271 hole: 137.917,44.076 137.641,43.8 137.917,43.524 137.971,43.605 138.01,43.8 137.971,43.995 hole: 137.083,44.076 137.029,43.995 136.99,43.8 137.029,43.605 137.083,43.524 137.359,43.8 hole: 137.5,43.659 137.224,43.383 137.305,43.329 137.5,43.29 137.695,43.329 137.776,43.383
Internal Plane 2 (plane layer: these items are gaps in the copper):
  lines w0.2: 4,-1.887 8.539,-1.887 ; 4,51.52 8.585,51.52 ; 53.873,10 53.873,18.39 ; 53.9,35.089 54.325,35.089 ; 54.05,23.4 58.9,23.4 61.7,23.4 61.8,23.5 61.8,24.5 63.1,25.8 63.1,33.3 59.6,33.3 57.9,35 ; 57.9,46.2 58.2,46.5 118.7,46.5 ; 62.923,22.987 68.082,28.146 68.136,28.2 68.3,28.2 71.028,28.2 114.028,28.2 128.16,28.2 131.335,28.2 133.076,28.2 133.179,28.303 136.549,31.673 136.7,31.824 136.7,32.2 136.7,50 ; 64.897,9.779 69.469,5.207 114.046,5.207 134.874,5.207 134.874,24.174 72.688,24.174 72.39,23.876 65.024,16.51 ; 70.5,50 75.1,50 ; 75.552,22.797 111.252,22.797 ; 111.35,22.8 111.65,22.5 111.65,21.7 111.65,19 112.05,18.6 114.8,18.6 115.3,19.1 115.3,24.2 ; 118.772,46.572 118.772,49.928
  lines w0.3: -0.1,26.6 0,26.6 ; 0.001,15.585 6.501,15.585 ; 6.5,15.6 6.5,10.1 11,5.6 ; 8.5,41.4 8.9,41.4 ; 11.054,-0.054 11.054,5.546 ; 11.6,26.7 24.7,13.6 36.3,13.6 ; 12.1,34 18.1,34 24.1,40 29.13,40 41.425,40 41.875,40 43.83,40 46.126,40 53.873,40 ; 12.1,48.8 12.1,44.6 10.95,43.45 10.3,42.8 ; 13.7,38.9 17.9,43.1 18.3,43.1 18.5,43.1 19.7,43.1 22.53,43.1 23.165,43.1 25.935,43.1 26.57,43.1 29.13,43.1 43.83,43.1 46.126,43.1 53.873,43.1 54.5,43.1 54.456,43.144 54.456,43.9 54.456,46.044 54.456,50.259 ; 22.1,25.9 23.3,25.9 28.4,25.9 28.4,21.4 29.9,19.9 29.9,19.2 30.4,18.7 30.412,18.688 33.625,18.688 33.625,21.675 ; 22.1,27.1 22.1,34.4 31.1,34.4 ; 24.771,0.129 24.771,0.735 24.771,0.985 24.771,6.235 24.771,9.829 24.771,9.971 24.541,10.2 24.5,10.2 12,10.2 11.5,10.7 11.5,14.065 11.5,15.06 11.5,15.9 11.5,20.1 11.3,20.3 10.5,20.3 9,20.3 2.7,26.6 2.7,39.8 4.3,41.4 8.845,41.4 8.9,41.4 ; 30.5,10.2 37,3.7 37,0.1 ; 31.1,29.9 31.1,34.4 ; 31.75,35.05 41.45,35.05 ; 34,10 46.126,10 53.873,10 53.873,0.173 ; 53.873,35.1 46.126,35.1 41.875,35.1 41.5,35.1 41.4,35 41.4,29.9 30.5,29.9 30.2,29.6 30.2,21.7 34.4,21.7 36.3,19.8 36.3,13.6 ; 53.9,26.4 53.9,20.1 53.8,20 46.3,20 45.7,19.4 46.315,18.785 46.315,15.785 ; 53.9,34.7 53.9,35.089 ; 8.9,41.4 9.4,41.9 ; 9.4,41.9 10.3,42.8 ; 9.4,41.9 10.3,42.8 ; 31.1,34.4 31.1,34.4 ; 36.3,13.6 36.5,13.4 45.4,13.4 45.7,13.7 46.117,14.118 46.315,14.315 ; 46.315,14.315 46.315,15.785 ; 46.315,14.315 46.315,15.785
  lines w0.4: 53.873,40 54.4,40 ; 53.9,27.4 53.9,34.7 ; 54.347,36.977 54.456,37.086 54.456,40 ; 54.419,35.05 57.85,35.05

## Silkscreen, mask and mechanical layers (free items; w line width, h text height)
Bottom Overlay:
  drawing of 2080 lines, arcs and shapes, not listed
Mechanical 1:
  lines w0.15: 0,52.4 4,52.4 4,50.8 4,50 2.875,50 0,50 0,26.6 0,15.75 0,0 4,0 4,-0.8 4,-2.4 0,-2.4 0,-7.4 150,-7.4 150,-2.4 146,-2.4 145.8,-2.4 145.8,-0.8 145.8,0 146,0 148.4,0 150,0 150,26.4 ; 0,52.442 0,57.442 ; 0,57.4 150,57.4 150,52.4 146,52.4 145.8,52.4 145.8,50.8 145.8,50 146,50 148.4,50 150,50 150,47.498 ; 8.6,50 8.6,50.8 8.6,52.4 70.5,52.4 70.5,50.8 70.5,50 56.6,50 22.422,50 22.422,48.73 11.5,48.73 11.5,50 11.495,50.005 8.6,50.005 ; 74.9,50 74.9,50.8 74.9,52.4 ; 74.9,52.394 81.414,52.394 81.42,52.4 134.69,52.4 141.4,52.4 141.4,50.8 141.4,50 141.383,49.983 74.93,49.983 ; 150,26.413 150.013,45.478 cw(c149.992,46.478) 150.021,47.477 ; 8.6,-2.4 8.6,-0.8 8.6,0 11.054,0 15.31,0 24.771,0 37,0 68.58,0 70.5,0 70.5,-0.8 70.5,-2.4 68.58,-2.4 15.31,-2.4 8.6,-2.4 ; 74.9,-2.4 74.9,-0.8 74.9,0 79.6,0 139.7,0 141.4,0 141.4,-0.8 141.4,-2.4 139.7,-2.4 79.6,-2.4 74.9,-2.4
  lines w0.8: 13.786,46.444 13.786,48.73 ; 20.136,46.444 20.136,48.73

## Dimensions
0,-0.329 to 139.7,14.18 on Mechanical 13
0,-0.329 to 68.58,14.18 on Mechanical 13
0,0 to 15.31,14.065 on Mechanical 13